# Allegro board 8880F5-0823_2_1.brd (continued)
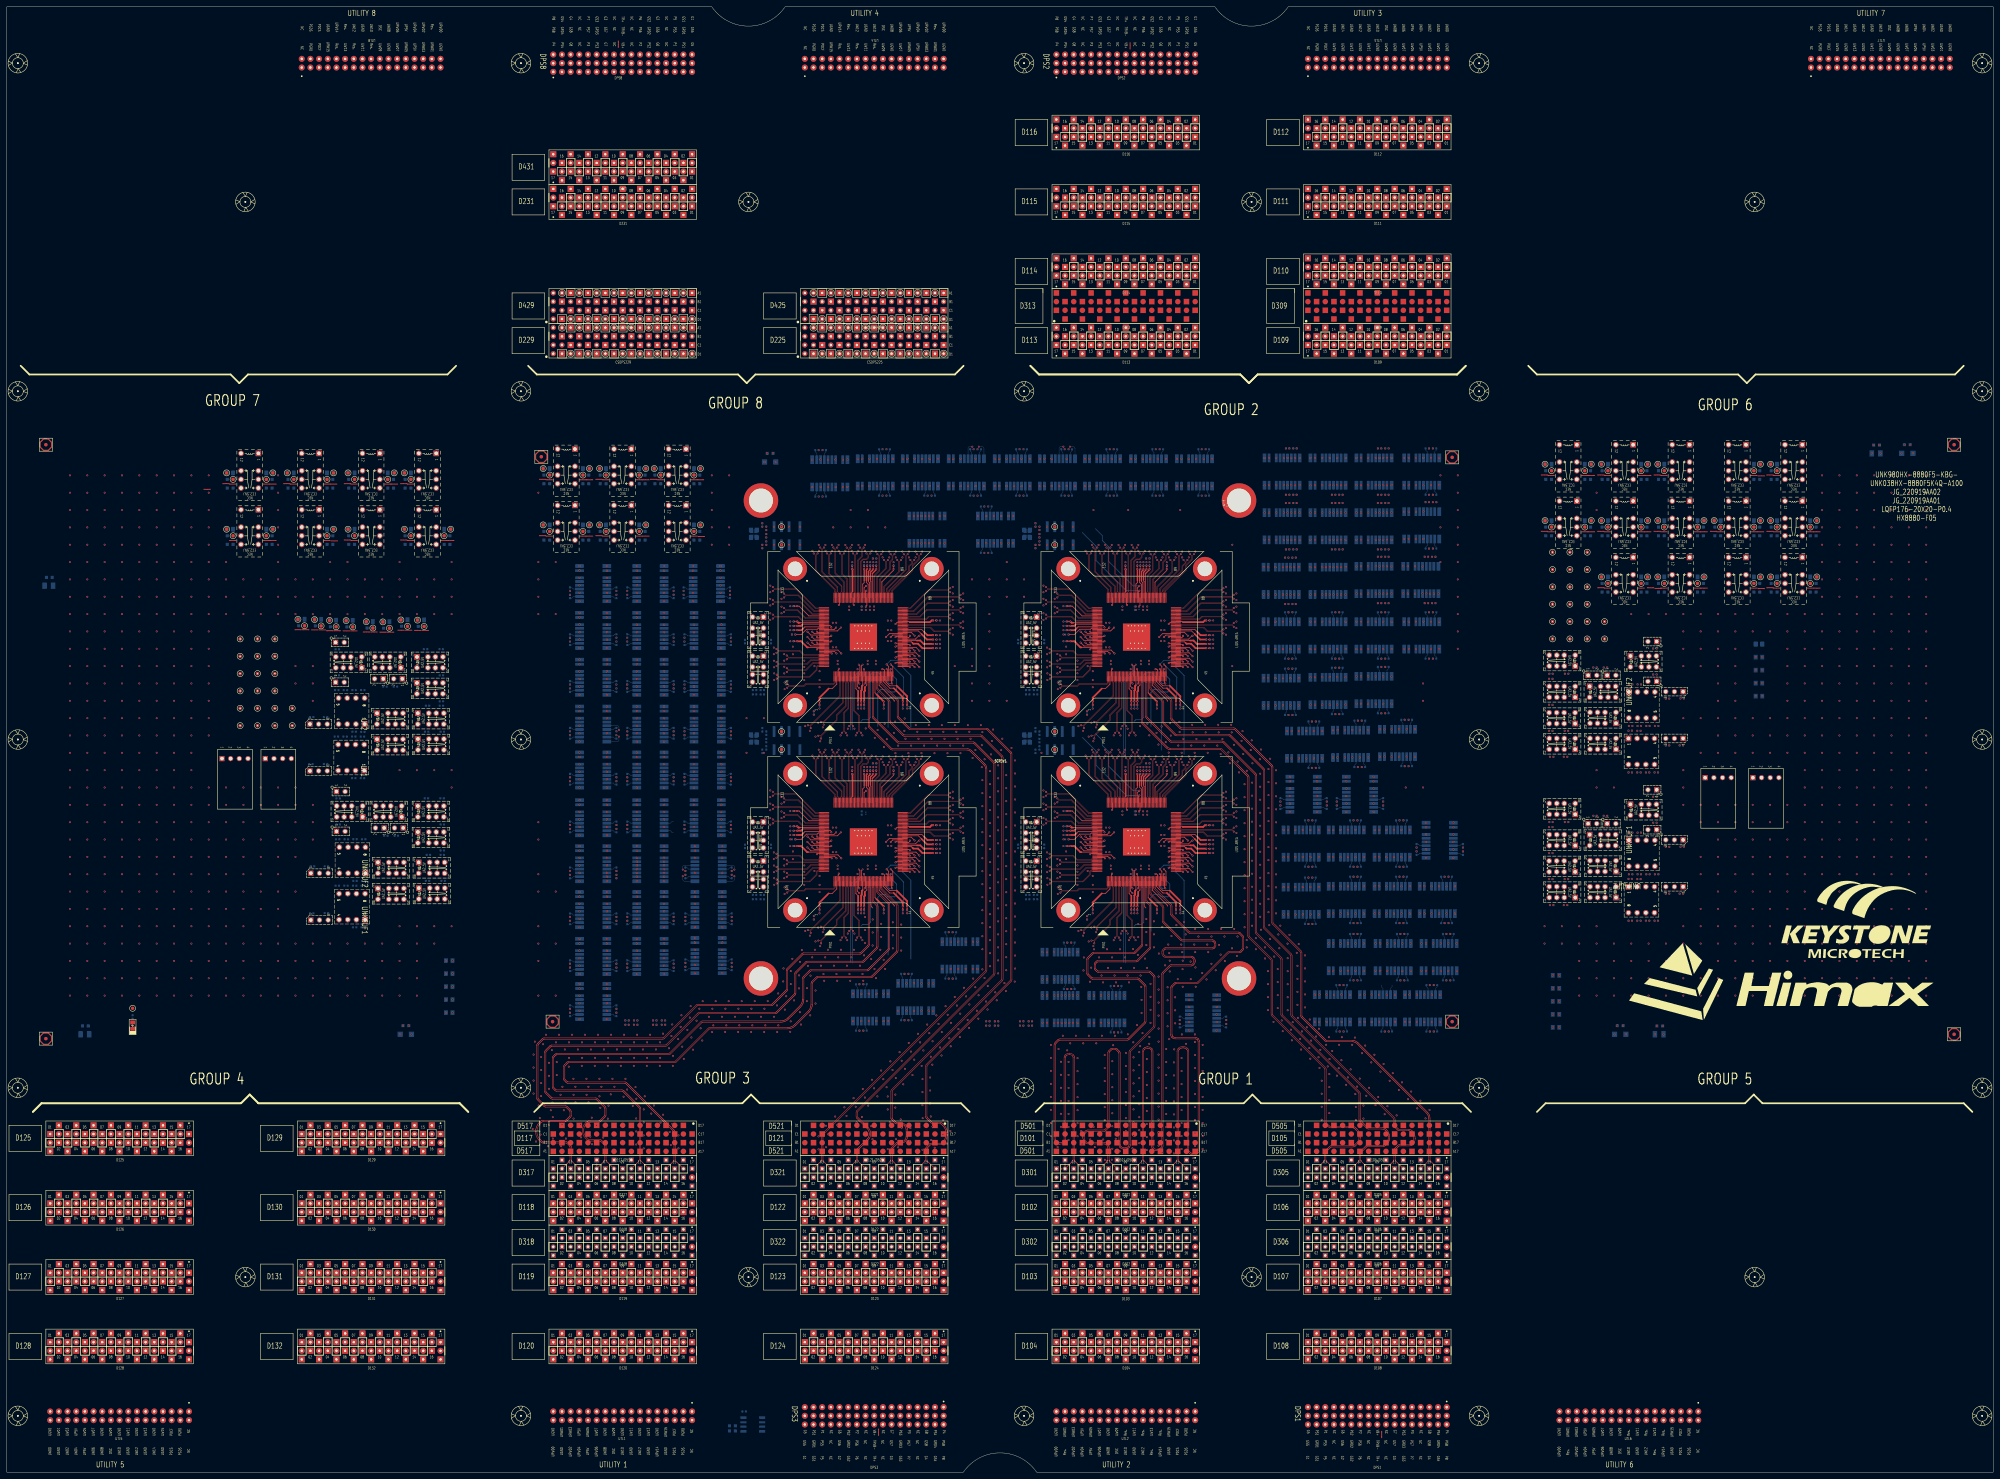
[diagram p0: board, top side]
## Routing (per net, layer and track width the routed paths; a pad name or vN(x,y) marks a point on that pad's centre or on a via; arc(x,y) is an arc through that point) (continued)
S3_3TX_100DCH005-: length 249.7
  TOP w0.086: v1(244,209.15) 244.46,208.69 244.46,203.07 245.91,201.61 245.91,197.86 245.83,197.78 SITE3.123
  L07_SIGNAL w0.071: 195.58,55.88 193.12,53.42 193.12,51.83 194.84,50.11 202.13,50.11 205.18,53.16 205.18,130.62 203.96,131.85 203.96,136.1 205.04,137.19 205.04,204.4 206.78,206.14 213.3,206.14 214.33,205.1 214.33,203.7 213.53,202.89 212.1,202.89 212.03,202.82 v1(212.03,202.42)
  L30_SIGNAL w0.071: v1(212.03,202.42) 211.55,202.89 210.62,202.89 210.04,203.47 210.04,204.11 210.81,204.87 221.42,204.87 228.5,197.79 239.92,197.79 244.47,202.34 244.47,208.68 v1(244,209.15)
S3_3TX_100DCH006+: length 260.7
  TOP w0.086: SITE3.124 245.43,197.78 245.35,197.86 245.35,200.75 242.73,203.37 242.73,210.45 v1(243.16,210.88)
  L07_SIGNAL w0.071: 198.12,58.42 195.64,60.9 195.64,61.41 196.19,61.96 201.66,61.96 204.35,64.65 204.35,107.19 189.17,122.37 185.76,122.37 182.96,125.17 182.96,133.64 183.63,134.31 183.63,197.76 192.5,206.63 198.87,206.63 200.09,205.41 200.09,203.66 199.51,203.09 198.51,203.09 198.44,203.16 v1(198.44,203.56)
  L30_SIGNAL w0.071: v1(198.44,203.56) 197.96,203.08 196.83,203.08 196.45,203.46 196.45,204.35 198.06,205.96 222.35,205.96 229.02,199.29 237.41,199.29 242.69,204.57 242.69,210.41 v1(243.16,210.88)
S3_3TX_100DCH006-: length 262
  TOP w0.086: SITE3.125 245.03,197.78 245.11,197.86 245.11,200.65 242.49,203.28 242.49,210.41 v1(242.02,210.88)
  L07_SIGNAL w0.071: 193.04,58.42 195.44,60.82 195.44,61.49 196.11,62.16 201.58,62.16 204.15,64.73 204.15,107.11 189.09,122.17 185.68,122.17 182.77,125.09 182.77,133.73 183.43,134.39 183.43,197.84 192.42,206.83 198.95,206.83 200.29,205.5 200.29,203.58 199.6,202.89 198.51,202.89 198.44,202.82 v1(198.44,202.42)
  L30_SIGNAL w0.071: v1(198.44,202.42) 197.97,202.89 196.75,202.89 196.25,203.38 196.25,204.43 197.97,206.15 222.43,206.15 229.1,199.48 237.33,199.48 242.49,204.65 242.49,210.41 v1(242.02,210.88)
S3_3TX_100DCH007+: length 263.3
  TOP w0.086: v1(241.28,209.15) 240.83,208.7 240.83,203.34 244.55,199.62 244.55,197.86 244.63,197.78 SITE3.126
  L07_SIGNAL w0.071: v1(178.5,189.59) 178.5,189.19 178.43,189.12 176.56,189.12 169.97,182.53 169.97,142.98 155.24,128.25 155.24,108.94 148.74,102.44 148.74,67.93 154.82,61.85 164.45,61.85 165,61.3 165,60.86 162.56,58.42
  L30_SIGNAL w0.071: v1(178.5,189.59) 178.03,189.12 176.82,189.12 173.58,192.36 173.58,201.89 179.87,208.19 212.1,208.19 213.75,209.83 232.99,209.83 236.51,206.3 239.96,206.3 240.81,207.15 240.81,208.68 v1(241.28,209.15)
S3_3TX_100DCH007-: length 263.3
  TOP w0.086: SITE3.127 244.23,197.78 244.31,197.86 244.31,199.52 240.59,203.24 240.59,208.7 v1(240.14,209.15)
  L07_SIGNAL w0.071: v1(178.5,188.45) 178.5,188.85 178.43,188.92 176.64,188.92 170.17,182.45 170.17,142.9 155.44,128.17 155.44,108.86 148.94,102.36 148.94,68.01 154.9,62.05 164.53,62.05 165.2,61.38 165.2,60.86 167.64,58.42
  L30_SIGNAL w0.071: v1(240.14,209.15) 240.61,208.68 240.61,207.23 239.88,206.5 236.6,206.5 233.07,210.03 213.66,210.03 212.02,208.38 179.79,208.38 173.38,201.98 173.38,192.28 176.74,188.92 178.02,188.92 v1(178.5,188.45)
S3_4TX_100DCH001+: length 304.3
  TOP w0.086: v1(239.3,210.88) 238.85,210.43 238.85,203.79 243.35,199.29 243.35,197.86 243.43,197.78 SITE3.129
  L05_SIGNAL w0.071: v1(164.91,189.59) 164.91,189.19 164.98,189.12 165.95,189.12 166.55,188.51 166.55,184.14 154.07,171.66 154.07,128.58 155.4,127.24 155.4,109.79 151.19,105.58 151.19,30.79 154.56,27.41 169.1,27.41 172.59,30.91 172.59,33.15 170.18,35.56
  L32_SIGNAL w0.071: v1(164.91,189.59) 165.38,189.12 166.7,189.12 169.03,191.45 169.03,198.91 171.78,201.66 214.65,201.66 225.85,212.86 238.15,212.86 238.83,212.18 238.83,211.35 v1(239.3,210.88)
S3_4TX_100DCH001-: length 304.4
  TOP w0.086: v1(238.16,210.88) 238.61,210.43 238.61,203.69 243.11,199.19 243.11,197.86 243.03,197.78 SITE3.130
  L05_SIGNAL w0.071: 175.26,35.56 172.79,33.09 172.79,30.82 169.18,27.22 154.48,27.22 150.99,30.7 150.99,105.66 155.21,109.87 155.21,127.16 153.87,128.49 153.87,171.74 166.35,184.22 166.35,188.43 165.86,188.92 164.98,188.92 164.91,188.85 v1(164.91,188.45)
  L32_SIGNAL w0.071: v1(238.16,210.88) 238.63,211.35 238.63,212.1 238.07,212.66 225.93,212.66 214.73,201.46 171.86,201.46 169.23,198.83 169.23,191.37 166.78,188.92 165.38,188.92 v1(164.91,188.45)
S3_4TX_100DCH002+: length 212.3
  TOP w0.086: v1(237.43,209.15) 236.97,208.69 236.97,204.24 242.55,198.66 242.55,197.86 242.63,197.78 SITE3.131
  L05_SIGNAL w0.071: 236.22,58.42 238.68,60.88 238.68,61.8 238.29,62.18 232.85,62.18 231.03,64 231.03,94.85 208.31,117.57 208.31,132.07 205.62,134.75 205.62,184.3 210.44,189.12 211.95,189.12 212.03,189.19 v1(212.03,189.59)
  L32_SIGNAL w0.071: v1(212.03,189.59) 211.55,189.12 211.03,189.12 210.09,190.06 210.09,192.23 214.37,196.51 224.09,196.51 226.56,198.99 235.95,198.99 236.95,199.99 236.95,208.68 v1(237.43,209.15)
S3_4TX_100DCH002-: length 212.3
  TOP w0.086: v1(236.28,209.15) 236.73,208.71 236.73,204.14 242.31,198.56 242.31,197.86 242.23,197.78 SITE3.132
  L05_SIGNAL w0.071: v1(212.03,188.45) 212.03,188.85 211.95,188.92 210.53,188.92 205.82,184.22 205.82,134.83 208.51,132.15 208.51,117.65 231.23,94.93 231.23,64.08 232.93,62.38 238.38,62.38 238.88,61.88 238.88,60.84 241.3,58.42
  L32_SIGNAL w0.071: v1(236.28,209.15) 236.75,208.68 236.75,200.07 235.87,199.18 226.48,199.18 224,196.71 214.29,196.71 209.89,192.31 209.89,189.98 210.95,188.92 211.55,188.92 v1(212.03,188.45)
S3_4TX_100DCH003+: length 230.2
  TOP w0.086: SITE3.133 237.68,193.23 237.6,193.15 236.94,193.15 231.22,198.87 224.75,198.87 v1(224.31,199.31)
  L05_SIGNAL w0.071: v1(198.44,189.59) 198.44,189.19 198.37,189.12 197.12,189.12 194.34,186.33 194.34,132.9 193.34,131.9 193.34,126.27 196.09,123.52 196.09,115.91 221.25,90.76 221.25,49.6 227.72,43.13 237.24,43.13 238.61,41.75 238.61,40.49 236.22,38.1
  L32_SIGNAL w0.071: v1(198.44,189.59) 198.91,189.12 200.29,189.12 202.81,191.64 202.81,196.17 205.48,198.84 223.83,198.84 v1(224.31,199.31)
S3_4TX_100DCH003-: length 229.9
  TOP w0.086: SITE3.134 237.68,192.83 237.6,192.91 236.84,192.91 231.12,198.63 224.77,198.63 v1(224.31,198.17)
  L05_SIGNAL w0.071: 241.3,38.1 238.81,40.59 238.81,41.84 237.32,43.33 227.8,43.33 221.45,49.68 221.45,90.84 196.29,116 196.29,123.6 193.53,126.36 193.53,131.82 194.53,132.82 194.53,186.25 197.2,188.92 198.37,188.92 198.44,188.85 v1(198.44,188.45)
  L32_SIGNAL w0.071: v1(198.44,188.45) 198.91,188.92 200.38,188.92 203.01,191.55 203.01,196.08 205.56,198.64 223.83,198.64 v1(224.31,198.17)
S3_4TX_100DCH004+: length 259.5
  TOP w0.086: SITE3.135 237.68,192.43 237.6,192.35 236.46,192.35 231.86,196.95 228.04,196.95 v1(227.6,197.38)
  L05_SIGNAL w0.071: 190.5,35.56 192.9,33.16 192.9,31.88 193.97,30.82 203.06,30.82 205.86,33.61 205.86,93.62 199.25,100.22 194.86,100.22 178.15,116.93 178.15,122.66 174.87,125.94 174.87,157.44 175.66,158.23 177.66,158.23 179.91,160.47 179.91,161.81 179.52,162.2 178.57,162.2 178.5,162.27 v1(178.5,162.67)
  L32_SIGNAL w0.071: v1(227.6,197.38) 227.13,196.91 226.48,196.91 225.28,195.71 225.28,185.17 223.22,183.12 223.22,170.34 218.38,165.49 183.28,165.49 179.98,162.2 178.97,162.2 v1(178.5,162.67)
S3_4TX_100DCH004-: length 258.5
  TOP w0.086: v1(227.6,196.24) 228.07,196.71 231.76,196.71 236.36,192.11 237.6,192.11 237.68,192.03 SITE3.136
  L05_SIGNAL w0.071: 195.58,35.56 193.1,33.08 193.1,31.96 194.05,31.01 202.98,31.01 205.66,33.69 205.66,93.53 199.17,100.02 194.78,100.02 177.95,116.85 177.95,122.57 174.67,125.86 174.67,157.52 175.57,158.42 177.58,158.42 179.71,160.56 179.71,161.73 179.44,162 178.57,162 178.5,161.93 v1(178.5,161.52)
  L32_SIGNAL w0.071: v1(227.6,196.24) 227.13,196.71 226.56,196.71 225.48,195.63 225.48,185.09 223.42,183.04 223.42,170.26 218.46,165.3 183.36,165.3 180.06,162 178.97,162 v1(178.5,161.52)
S3_4TX_100DCH005+: length 240.3
  TOP w0.086: SITE3.137 237.68,191.63 237.6,191.55 235.88,191.55 232.43,195.01 224.75,195.01 v1(224.31,195.45)
  L05_SIGNAL w0.071: v1(164.91,162.67) 164.91,162.27 164.84,162.2 162.18,162.2 159.17,159.19 159.17,126.19 160.19,125.17 160.19,110.44 153.1,103.35 153.1,50.27 159.11,44.25 163.22,44.25 164.98,42.49 164.98,40.52 162.56,38.1
  L32_SIGNAL w0.071: v1(164.91,162.67) 165.38,162.2 166.77,162.2 171.92,167.34 171.92,170.43 173.15,171.66 211.81,171.66 216.38,176.23 216.38,190.31 221.05,194.98 223.83,194.98 v1(224.31,195.45)
S3_4TX_100DCH005-: length 240
  TOP w0.086: v1(224.31,194.31) 224.76,194.77 232.33,194.77 235.78,191.31 237.6,191.31 237.68,191.23 SITE3.138
  L05_SIGNAL w0.071: v1(164.91,161.52) 164.91,161.93 164.84,162 162.26,162 159.37,159.1 159.37,126.27 160.39,125.25 160.39,110.36 153.3,103.27 153.3,50.35 159.2,44.45 163.3,44.45 165.18,42.57 165.18,40.56 167.64,38.1
  L32_SIGNAL w0.071: v1(224.31,194.31) 223.83,194.78 221.13,194.78 216.57,190.23 216.57,176.14 211.89,171.46 173.23,171.46 172.12,170.35 172.12,167.26 166.86,162 165.38,162 v1(164.91,161.52)
S3_4TX_100DCH006+: length 258.7
  TOP w0.086: SITE3.140 237.68,190.43 237.6,190.35 233.88,190.35 231.52,192.7 228.04,192.7 v1(227.6,193.14)
  L05_SIGNAL w0.071: v1(178.5,148.95) 178.5,148.55 178.57,148.48 179.83,148.48 180.36,147.95 180.36,130.78 185.34,125.8 185.34,117.82 207.82,95.35 207.82,32.43 202.9,27.51 185.8,27.51 182.78,30.53 182.78,33.12 180.34,35.56
  L32_SIGNAL w0.071: v1(178.5,148.95) 178.97,148.48 180.14,148.48 181.68,150.03 183.23,150.03 183.83,149.43 192.43,149.43 197.31,154.31 211.64,154.31 226.13,168.8 226.13,192.18 226.62,192.67 227.13,192.67 v1(227.6,193.14)
S3_4TX_100DCH006-: length 257.7
  TOP w0.086: v1(227.6,192) 228.06,192.46 231.43,192.46 233.78,190.11 237.6,190.11 237.68,190.03 SITE3.141
  L05_SIGNAL w0.071: v1(178.5,147.81) 178.5,148.21 178.57,148.28 179.75,148.28 180.16,147.87 180.16,130.7 185.15,125.71 185.15,117.74 207.62,95.27 207.62,32.51 202.82,27.71 185.88,27.71 182.98,30.61 182.98,33.12 185.42,35.56
  L32_SIGNAL w0.071: v1(178.5,147.81) 178.97,148.28 180.22,148.28 181.77,149.83 183.15,149.83 183.74,149.23 192.51,149.23 197.39,154.11 211.72,154.11 226.33,168.72 226.33,192.1 226.7,192.47 227.13,192.47 v1(227.6,192)
S3_4TX_100DCH007+: length 243.4
  TOP w0.086: SITE3.142 237.68,189.63 237.6,189.55 233.04,189.55 231.83,190.76 224.76,190.76 v1(224.31,191.21)
  L05_SIGNAL w0.071: 172.72,38.1 175.2,40.58 175.2,42.5 171.67,46.03 159.94,46.03 153.93,52.05 153.93,99.3 161.19,106.57 161.19,113.28 162.56,114.64 162.56,147.3 163.74,148.48 164.84,148.48 164.91,148.55 v1(164.91,148.95)
  L32_SIGNAL w0.071: v1(224.31,191.21) 223.83,190.74 223.24,190.74 220.2,187.7 220.2,170.6 217.11,167.51 180.67,167.51 176.77,163.62 176.77,150.74 175.28,149.25 167.53,149.25 166.77,148.48 165.38,148.48 v1(164.91,148.95)
S3_4TX_100DCH007-: length 243
  TOP w0.086: v1(224.31,190.07) 224.76,190.52 231.73,190.52 232.94,189.31 237.6,189.31 237.68,189.23 SITE3.143
  L05_SIGNAL w0.071: 177.8,38.1 175.4,40.5 175.4,42.58 171.75,46.23 160.02,46.23 154.12,52.13 154.12,99.22 161.39,106.49 161.39,113.2 162.76,114.56 162.76,147.22 163.82,148.28 164.84,148.28 164.91,148.21 v1(164.91,147.81)
  L32_SIGNAL w0.071: v1(164.91,147.81) 165.38,148.28 166.85,148.28 167.62,149.05 175.36,149.05 176.97,150.66 176.97,163.53 180.75,167.31 217.2,167.31 220.4,170.52 220.4,187.62 223.32,190.54 223.83,190.54 v1(224.31,190.07)
S3_AUX_100DCH002+:
  vias: v1(191.78,132.33)
S3_AUX_100DCH002-:
  vias: v1(189.24,132.33)
S3_AUXCH+: length 32.3
  TOP w0.203: v2(250.6,176.57) 250.23,176.2 SITE3.21
  BOTTOM w0.203: 247.57,149.14 247.57,171.79 250.3,174.52 250.3,176.28 v2(250.6,176.57)
S3_AUXCH-: length 32.1
  TOP w0.203: SITE3.20 249.83,176.2 v2(249.46,176.57)
  BOTTOM w0.203: v2(249.46,176.57) 249.76,176.28 249.76,174.75 247.03,172.02 247.03,149.37
S3_AVDD11_RX: length 8.4
  TOP w0.231: 254.67,167.85 254.23,168.29 SITE3.31
  TOP w0.508: v1(256.77,165.75) 254.67,167.85
  vias: v1(256.77,163.71)
S3_AVDD11_XTAL: length 8.8
  TOP w0.231: SITE3.105 253.03,200.95 252.87,201.11 252.87,201.45
  TOP w0.381: v1(253.72,204.54) 253.72,204.45 252.87,203.59 252.87,201.45
  vias: v1(253.72,206.58)
S3_AVDD18_RX: length 7.7
  TOP w0.231: SITE3.25 251.83,170.56 251.28,170.01
  TOP w0.508: v1(251.06,165.75) 251.06,168.68 251.28,168.9 251.28,170.01
  vias: v1(251.06,163.71)
S3_DCH041: length 2.2
  TOP w0.231: SITE3.159 237.43,182.83 v1(237.23,183.03)
S3_DCH042: length 3.7
  TOP w0.231: SITE3.160 236.43,182.43 v1(235.83,183.03)
S3_DCH043: length 5.3
  TOP w0.231: v1(234.44,183.03) 235.44,182.03 SITE3.161
S3_DCH044: length 2.2
  TOP w0.231: v1(237.23,181.03) 237.43,181.23 SITE3.163
S3_DCH045: length 5.4
  TOP w0.231: v1(244.35,179.83) 243.35,180.83 SITE3.164
S3_DCH046: length 3.9
  TOP w0.231: v1(242.95,179.83) 242.35,180.43 SITE3.165
S3_DCH047: length 2.3
  TOP w0.231: v1(241.56,179.83) 241.36,180.03 SITE3.166
S3_DPS_F_001:
  vias: v1(190.24,131.06)
S3_DPS_F_002: length 10.1
  TOP w0.231: SITE3.3 243.03,170.86 241.72,169.55 240.65,169.55
  TOP w0.508: v1(237.98,165.75) 237.98,166.88 240.65,169.55
  vias: v1(236.32,162.9) v1(237.98,163.71)
S3_DPS_F_003: length 63.1
  TOP w0.231: 234.63,181.63 SITE3.162 ; 259.73,169.66 258.57,169.66 256.63,171.59 SITE3.37 ; SITE3.145 233.08,188.43 232.83,188.18 ; SITE3.71 266.94,186.43 267.84,185.53 ; 265.2,182.93 264.9,183.23 SITE3.63 ; SITE3.17 248.63,169.5 249.28,168.85 ; SITE3.107 252.23,200.11 251.69,200.65 251.69,201.16
  TOP w0.381: v1(251.94,204.54) 251.69,204.28 251.69,201.16
  TOP w0.508: 265.2,182.93 265.45,182.68 266.8,182.68 268.11,181.37 v1(271.22,181.37) ; v1(231.44,187.93) 232.58,187.93 232.83,188.18 ; v1(249.28,165.75) 249.28,168.85 ; v1(262.36,165.75) 262.36,167.02 259.73,169.66 ; 234.63,181.63 234.37,181.63 232.59,183.41 v1(231.44,183.41) ; v1(271.22,183.91) 269.46,183.91 267.84,185.53
  vias: v1(229.4,187.93) v1(229.4,183.41) v1(249.28,163.71) v1(251.94,206.58) v1(262.36,163.71) v1(273.27,183.91) v1(273.27,181.37)
S3_DPS_F_006: length 9.6
  TOP w0.231: SITE3.72 267.92,186.83 268.55,186.19
  TOP w0.508: v1(271.22,185.18) 269.56,185.18 268.55,186.19
  vias: v1(259,186.67) v1(273.27,185.18)
S3_DPS_F_007: length 19
  TOP w0.231: SITE3.97 256.23,200.71 259.65,204.13 v1(259.65,204.54) ; SITE3.78 264.15,189.23 264.37,189.01
  TOP w0.508: 264.37,189.01 270.31,189.01 270.8,189.5 v1(271.22,189.5)
  vias: v1(259.65,206.58) v1(273.27,189.5)
S3_DPS_F_009: length 8.8
  TOP w0.231: 252.26,201.12 252.26,200.9 252.63,200.53 SITE3.106
  TOP w0.381: 252.26,201.12 252.26,203.82 252.83,204.39 v1(252.83,204.54)
  vias: v1(252.83,206.58) v1(253.61,207.66)
S3_DPS_F_010: length 8.6
  TOP w0.231: 251.05,201.13 251.05,200.57 250.63,200.15 SITE3.111
  TOP w0.381: 251.05,201.13 v1(251.05,204.54)
  vias: v1(251.05,206.58)
S3_DPS_F_011: length 17.6
  TOP w0.231: SITE3.119 247.43,197.79 247.64,198.01 ; v1(231.44,193.69) 232.01,193.69 234.87,190.83 SITE3.139
  TOP w0.508: 247.64,198.01 247.64,204.47 v1(247.57,204.54)
  vias: v1(229.4,193.69) v1(247.57,206.58)
S3_DPS_F_012: length 8
  TOP w0.231: 232.2,188.83 SITE3.144
  TOP w0.508: v1(231.44,189.2) 231.81,188.83 232.2,188.83
  vias: v1(229.4,189.2)
S3_ISP00+: length 14.6
  TOP w0.086: SITE3.73 263.98,187.23 264.06,187.31 270.41,187.31 271.56,186.16 275.81,186.16 v1(276.24,185.73)
  vias: v1(184.47,178.86)
S3_ISP00-: length 14.6
  TOP w0.086: SITE3.74 263.98,187.63 264.06,187.55 270.51,187.55 271.66,186.4 275.77,186.4 v1(276.24,186.87)
  vias: v1(192.47,178.86)
S3_ISP14+: length 486.1
  TOP w0.086: v1(252.86,209.15) 252.42,208.71 252.42,207.92 251.76,207.26 250.73,207.26 250.15,206.68 250.15,197.86 250.23,197.78 SITE3.112
  L28_SIGNAL w0.071: v1(184.47,174.46) 188.45,174.46 188.68,174.22 188.68,173.07 188.16,172.55 183.99,172.55 182.98,173.56 182.98,175.52 179.47,179.03 133.17,179.03 129.97,175.84 129.97,171.21 132.01,169.17 211.8,169.17 215.08,165.89 215.08,161.94 214.06,160.92 211.73,160.92 205.44,167.21 197.96,167.21 196.32,165.57 189.24,165.57 184.44,160.77 163.82,160.77 161.93,162.66 109.7,162.66 106.23,166.13 106.23,202.75 111.66,208.18 214.98,208.18 215.84,209.04 223.87,209.04 225.71,210.88 232.36,210.88 235.72,207.51 251.93,207.51 252.39,207.97 252.39,208.68 v1(252.86,209.15)
S3_ISP14-: length 486.1
  TOP w0.086: SITE3.113 249.83,197.78 249.91,197.86 249.91,206.78 250.63,207.5 251.66,207.5 252.18,208.02 252.18,208.69 v1(251.72,209.15)
  L28_SIGNAL w0.071: v1(192.47,174.46) 189.13,174.46 188.88,174.21 188.88,172.99 188.24,172.35 183.91,172.35 182.78,173.48 182.78,175.44 179.39,178.84 133.25,178.84 130.17,175.76 130.17,171.29 132.09,169.37 211.88,169.37 215.28,165.97 215.28,161.86 214.14,160.72 211.65,160.72 205.35,167.02 198.04,167.02 196.4,165.37 189.33,165.37 184.52,160.57 163.74,160.57 161.84,162.47 109.61,162.47 106.03,166.05 106.03,202.83 111.58,208.38 214.9,208.38 215.76,209.24 223.79,209.24 225.63,211.08 232.44,211.08 235.81,207.71 251.85,207.71 252.19,208.05 252.19,208.68 v1(251.72,209.15)
S3_M_DPS_F_001: length 45.2
  TOP w0.231: SITE3.39 257.43,171.49 258.54,170.37 260.57,170.37 ; 250.63,170.54 SITE3.22 ; SITE3.147 233.7,187.63 233.24,187.18 ; 266.49,183.63 SITE3.64 ; SITE3.104 253.43,203.21
  TOP w0.381: 253.43,203.21 254.61,204.39 v1(254.61,204.54)
  TOP w0.508: v1(263.63,165.75) 263.63,167.31 260.57,170.37 ; v1(271.22,182.64) 268.48,182.64 267.49,183.63 266.49,183.63 ; 250.63,170.54 250.38,170.28 250.38,169.17 250.17,168.96 v1(250.17,165.75) ; 233.24,187.18 232.72,186.66 v1(231.44,186.66)
  vias: v1(229.4,186.66) v1(250.17,163.71) v1(254.61,206.58) v1(263.63,163.71) v1(273.27,182.64)
S3_PS9G_DCH001: length 3.7
  TOP w0.231: v1(249.63,169.63) 249.03,170.23 SITE3.18
S3_PS9G_DCH002: length 2.2
  TOP w0.231: SITE3.19 249.43,171.23 v1(249.63,171.03)
S3_PS9G_DCH003: length 2.2
  TOP w0.231: v1(251.23,171.03) 251.43,171.23 SITE3.24
S3_PS9G_DCH004: length 2.2
  TOP w0.231: SITE3.40 257.83,175.03 v1(257.63,175.23)
S3_PS9G_DCH005: length 2.2
  TOP w0.231: v1(264.43,175.83) 264.23,176.03 SITE3.45
S3_PS9G_DCH006: length 3.7
  TOP w0.231: v1(265.83,175.83) 265.23,176.43 SITE3.46
S3_PS9G_DCH007: length 5.3
  TOP w0.231: SITE3.47 266.22,176.83 v1(267.23,175.83)
S3_PS9G_DCH009: length 2.2
  TOP w0.231: SITE3.49 264.23,177.63 v1(264.43,177.43)
S3_PS9G_DCH010: length 3.7
  TOP w0.231: SITE3.50 265.23,178.03 v1(265.83,177.43)
S3_PS9G_DCH011: length 5.3
  TOP w0.231: v1(267.23,177.43) 266.22,178.43 SITE3.51
S3_PS9G_DCH014: length 3.7
  TOP w0.231: v1(265.83,179.03) 265.23,179.63 SITE3.54
S3_PS9G_DCH015: length 5.3
  TOP w0.231: v1(267.23,179.03) 266.22,180.03 SITE3.55
S3_PS9G_DCH022: length 5.3
  TOP w0.231: v1(267.23,185.03) 267.05,185.03 266.05,184.03 SITE3.65
S3_PS9G_DCH023: length 2.5
  TOP w0.231: v1(264.43,185.03) 264.43,184.83 264.03,184.43 SITE3.66
S3_PS9G_DCH027: length 3.9
  TOP w0.231: v1(265.83,185.03) 264.83,186.03 SITE3.70
S3_PS9G_DCH028: length 2.3
  TOP w0.231: v1(260.23,188.46) 260.6,188.83 SITE3.77
S3_PS9G_DCH030: length 9.2
  TOP w0.231: SITE3.148 237.62,187.23 237.3,186.91 234.16,186.91 232.63,185.39 v1(230.91,185.39)
S3_PS9G_DCH035: length 5.3
  TOP w0.231: SITE3.153 235.44,185.23 v1(234.44,186.23)
S3_PS9G_DCH036: length 2.2
  TOP w0.231: SITE3.154 241.23,184.83 v1(241.43,185.03)
S3_PS9G_DCH037: length 2.2
  TOP w0.231: v1(237.23,184.63) 237.43,184.43 SITE3.155
S3_PS9G_DCH038: length 3.7
  TOP w0.231: SITE3.156 236.43,184.03 v1(235.83,184.63)
S3_PS9G_DCH039: length 5.3
  TOP w0.231: v1(234.44,184.63) 235.44,183.63 SITE3.157
S3_PS9G_DCH040: length 2.2
  TOP w0.231: v1(241.43,183.43) 241.23,183.23 SITE3.158
S3_RLY_001:
  vias: v1(256.73,140.14) v1(282.9,155.38)
S3_RLY_003:
  vias: v1(167.7,182.06) v1(269.94,143.19)
S3_RLY_005:
  vias: v1(184.47,222.95) v1(201.23,222.95)
S3_RLY_007:
  vias: v1(184.47,209.49)
S3_RLY_008:
  vias: v1(167.7,209.49) v1(184.47,195.52)
S3_RLY_016:
  vias: v1(167.7,195.52) v1(201.23,209.49)
S3_RLY_021:
  vias: v1(167.7,168.6) v1(201.23,195.52)
S3_RLY_022:
  vias: v1(184.47,154.88) v1(201.49,155.13)
S3_RLY_023:
  vias: v1(167.7,141.67)
S3_RLY_025:
  vias: v1(201.49,182.06) v1(201.49,168.6)
S3_RLY_026:
  vias: v1(184.47,168.6)
S3_RLY_030:
  vias: v1(167.7,154.88)
S3_RLY_043:
  vias: v1(184.47,182.06)
S3_SCAN_DCH008: length 2.2
  TOP w0.231: SITE3.48 260.43,177.23 v1(260.23,177.03)
S3_SCAN_DCH012: length 2.2
  TOP w0.231: SITE3.52 260.43,178.83 v1(260.23,178.63)
S3_SCAN_DCH013: length 2.2
  TOP w0.231: SITE3.53 264.23,179.23 v1(264.43,179.03)
S3_SCAN_DCH016: length 2.2
  TOP w0.231: v1(260.23,180.23) 260.43,180.43 SITE3.56
S3_SCAN_DCH017: length 2.2
  TOP w0.231: v1(264.43,180.63) 264.23,180.83 SITE3.57
S3_SCAN_DCH018: length 3.7
  TOP w0.231: SITE3.58 265.23,181.23 v1(265.83,180.63)
S3_SCAN_DCH019: length 5.3
  TOP w0.231: SITE3.59 266.22,181.63 v1(267.23,180.63)
S3_SCAN_DCH020: length 2.2
  TOP w0.231: v1(260.23,181.83) 260.43,182.03 SITE3.60
S3_SCAN_DCH021: length 2.2
  TOP w0.231: v1(264.43,182.23) 264.23,182.43 SITE3.61
S3_SCAN_DCH024: length 2.2
  TOP w0.231: SITE3.67 260.43,184.83 v1(260.23,184.63)
S3_SCAN_DCH025: length 3.7
  TOP w0.231: v1(258.83,184.63) 259.43,185.23 SITE3.68
S3_SCAN_DCH026: length 5.3
  TOP w0.231: SITE3.69 258.44,185.63 v1(257.44,184.63)
S3_SCAN_DCH031: length 3.7
  TOP w0.231: v1(242.83,187.43) 242.23,186.83 SITE3.149
S3_SCAN_DCH032: length 5.3
  TOP w0.231: SITE3.150 243.22,186.43 v1(244.22,187.43)
S3_SCAN_DCH033: length 2.2
  TOP w0.231: v1(237.23,186.23) 237.43,186.03 SITE3.151
S3_SCAN_DCH034: length 3.7
  TOP w0.231: SITE3.152 236.43,185.63 v1(235.83,186.23)
S3_SPI_CSN: length 25.9
  TOP w0.231: v1(259.23,171.03) 259.03,171.23 SITE3.43
  BOTTOM w0.231: 250.11,159.95 250.61,160.44 252.25,160.44 252.91,161.11 252.91,173.59 253.58,174.25 255.17,174.25 258.4,171.03 v1(259.23,171.03)
S3_SPI_SCK: length 25.3
  TOP w0.231: v1(258.83,175.23) 258.63,175.03 SITE3.42
  BOTTOM w0.231: 255.03,158.48 255.03,168.39 255.92,169.27 257.17,169.27 257.9,168.54 259.96,168.54 260.53,169.11 260.53,172.28 258.83,173.98 v1(258.83,175.23)
S3_SPI_SDI: length 34.1
  TOP w0.231: v1(258.83,176.63) 259.43,176.03 SITE3.44
  BOTTOM w0.231: v1(258.83,176.63) 262.6,172.86 262.6,167.63 262.04,167.06 258.85,167.06 258.07,166.28 258.07,151.53
S3_SPI_SDO: length 37
  TOP w0.231: SITE3.41 258.23,176.03 v1(257.63,176.63)
  BOTTOM w0.231: v1(257.63,176.63) 258.83,177.83 261.5,177.83 262.29,177.04 262.29,175.83 264.72,173.4 264.72,150.32
S3_XTAL_OUT: length 3.7
  TOP w0.231: v1(251.63,199.63) 251.03,199.03 SITE3.110
S4_1TX_100DCH001+: length 274.7
  L07_SIGNAL w0.071: v1(421.02,174.43) 421.43,174.43 421.5,174.36 421.5,172.59 427.26,166.83 427.26,107.7
  L30_SIGNAL w0.071: v1(421.02,174.43) 421.5,173.96 421.5,173.04 426.91,167.62 426.91,135.65 416.34,125.08 401.59,125.08 388.53,138.14 357.01,138.14 355.95,137.09 353.41,137.09 350.43,140.07 350.43,142.28 344.46,148.24 340.59,148.24 339.16,146.81 317.71,146.81 313.69,142.79 303.19,142.79 300.04,139.65 300.04,136.22 300.73,135.54 309.6,135.54 310.01,135.13 v1(310.01,131.64)
S4_1TX_100DCH001-: length 274.4
  L07_SIGNAL w0.071: v1(422.17,174.43) 421.77,174.43 421.7,174.36 421.7,172.68 427.46,166.91 427.46,107.7
  L30_SIGNAL w0.071: v1(422.17,174.43) 421.7,173.96 421.7,173.12 427.11,167.7 427.11,135.57 416.43,124.88 401.51,124.88 388.45,137.94 357.09,137.94 356.03,136.89 353.33,136.89 350.23,139.99 350.23,142.2 344.38,148.05 340.67,148.05 339.24,146.61 317.79,146.61 313.77,142.6 303.27,142.6 300.24,139.56 300.24,136.3 300.81,135.74 309.59,135.74 310.01,136.15 v1(310.01,139.64)
S4_1TX_100DCH002+: length 164.1
  TOP w0.086: SITE4.75 343.98,188.03 344.06,188.11 358.84,188.11 v1(359.29,187.66)
  L07_SIGNAL w0.071: v1(421.02,160.85) 421.43,160.85 421.5,160.77 421.5,159.71 426.14,155.06 426.14,107.91
  L30_SIGNAL w0.071: v1(359.29,187.66) 359.76,188.13 361.53,188.13 367.79,181.87 397.46,181.87 399.36,179.96 399.36,162.67 405.77,156.26 414.98,156.26 418.3,159.59 418.3,162.16 418.82,162.68 421.07,162.68 421.5,162.24 421.5,161.32 v1(421.02,160.85)
S4_1TX_100DCH002-: length 164.5
  TOP w0.086: SITE4.76 343.98,188.43 344.06,188.35 358.84,188.35 v1(359.29,188.8)
  L07_SIGNAL w0.071: v1(422.17,160.85) 421.77,160.85 421.7,160.77 421.7,159.79 426.34,155.15 426.34,107.91
  L30_SIGNAL w0.071: v1(359.29,188.8) 359.76,188.33 361.61,188.33 367.87,182.06 397.54,182.06 399.56,180.05 399.56,162.76 405.86,156.46 414.9,156.46 418.11,159.67 418.11,162.24 418.74,162.87 421.15,162.87 421.7,162.32 421.7,161.31 v1(422.17,160.85)
S4_1TX_100DCH003+: length 153.1
  TOP w0.086: SITE4.79 343.98,189.63 344.06,189.71 349.2,189.71 350.02,190.53 355.8,190.53 v1(356.24,190.09)
  L07_SIGNAL w0.071: 396.19,102.33 396.19,111.59 398.61,114.02 398.61,146.07 408.54,156.01 408.54,157.6 408.47,157.67 v1(408.07,157.67)
  L30_SIGNAL w0.071: v1(356.24,190.09) 356.72,190.56 360.96,190.56 364.01,187.51 367.44,187.51 370.8,184.16 400.14,184.16 403.03,181.26 403.03,163.46 406.43,160.06 407.87,160.06 408.54,159.38 408.54,158.14 v1(408.07,157.67)
S4_1TX_100DCH003-: length 153.4
  TOP w0.086: SITE4.80 343.98,190.03 344.06,189.95 349.1,189.95 349.92,190.77 355.78,190.77 v1(356.24,191.23)
  L07_SIGNAL w0.071: v1(409.21,157.67) 408.81,157.67 408.74,157.6 408.74,155.92 398.81,145.99 398.81,113.93 396.39,111.51 396.39,102.33